# Allegro board 8880F5-0823__zarif.brd (continued)
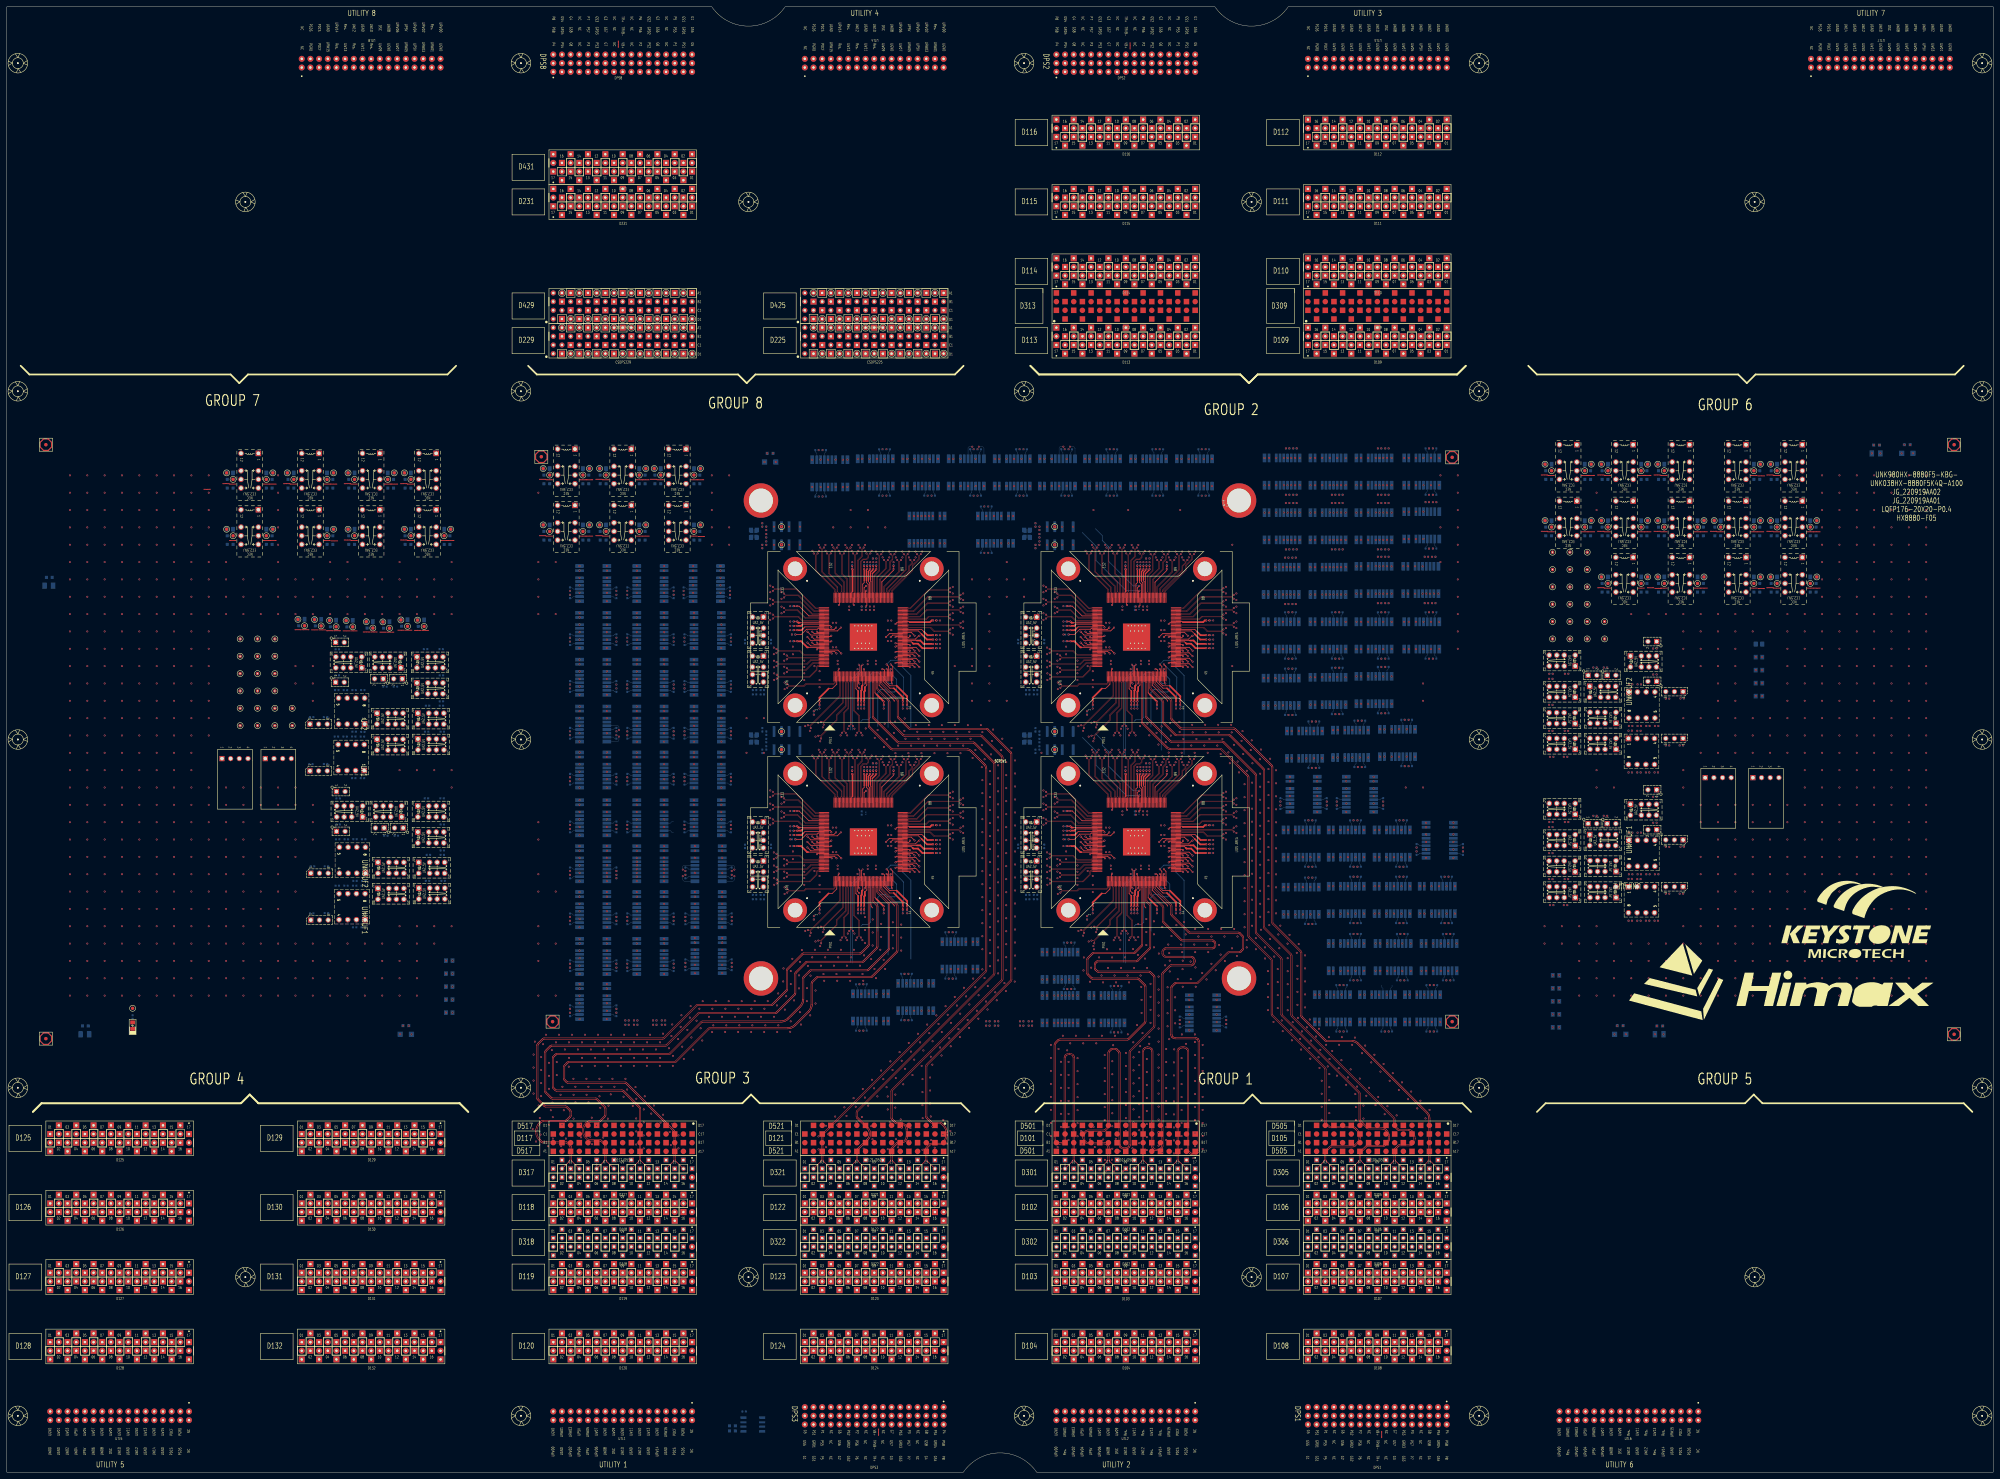
[diagram p0: board, top side]
## Routing (per net, layer and track width the routed paths; a pad name or vN(x,y) marks a point on that pad's centre or on a via; arc(x,y) is an arc through that point) (continued)
S2_PS9G_DCH035: length 5.3
  TOP w0.231: SITE2.153 315.44,245.23 v1(314.43,246.23)
S2_PS9G_DCH036: length 2.2
  TOP w0.231: SITE2.154 321.23,244.83 v1(321.43,245.03)
S2_PS9G_DCH037: length 2.2
  TOP w0.231: SITE2.155 317.43,244.43 v1(317.23,244.63)
S2_PS9G_DCH038: length 3.7
  TOP w0.231: v1(315.83,244.63) 316.43,244.03 SITE2.156
S2_PS9G_DCH039: length 5.3
  TOP w0.231: SITE2.157 315.44,243.63 v1(314.43,244.63)
S2_PS9G_DCH040: length 2.2
  TOP w0.231: v1(321.43,243.43) 321.23,243.23 SITE2.158
S2_RLY_001:
  vias: v1(410.52,289.12) v1(410.52,273.37)
S2_RLY_003:
  vias: v1(369.63,273.11) v1(396.55,241.11)
S2_RLY_005:
  vias: v1(396.55,273.11) v1(396.55,257.37)
S2_RLY_007:
  vias: v1(383.09,273.11)
S2_RLY_008:
  vias: v1(383.09,289.12) v1(410.27,257.37)
S2_RLY_016:
  vias: v1(369.38,257.11) v1(369.63,289.12)
S2_RLY_018:
  vias: v1(312.25,276.97)
S2_RLY_021:
  vias: v1(369.38,241.11) v1(396.55,289.12)
S2_RLY_022:
  vias: v1(369.38,224.6) v1(383.09,241.11)
S2_RLY_023:
  vias: v1(383.09,224.85)
S2_RLY_025:
  vias: v1(376.23,209.11) v1(396.55,225.11)
S2_RLY_026:
  vias: v1(389.7,209.36)
S2_RLY_030:
  vias: v1(410.52,241.11)
S2_RLY_043:
  vias: v1(383.09,257.11)
S2_SCAN_DCH008: length 2.2
  TOP w0.231: v1(340.23,237.03) 340.43,237.23 SITE2.48
S2_SCAN_DCH012: length 2.2
  TOP w0.231: v1(340.23,238.63) 340.43,238.83 SITE2.52
S2_SCAN_DCH013: length 2.2
  TOP w0.231: v1(344.43,239.03) 344.23,239.23 SITE2.53
S2_SCAN_DCH016: length 2.2
  TOP w0.231: v1(340.23,240.23) 340.43,240.43 SITE2.56
S2_SCAN_DCH017: length 2.2
  TOP w0.231: SITE2.57 344.23,240.83 v1(344.43,240.63)
S2_SCAN_DCH018: length 3.7
  TOP w0.231: v1(345.83,240.63) 345.23,241.23 SITE2.58
S2_SCAN_DCH019: length 5.3
  TOP w0.231: SITE2.59 346.22,241.63 v1(347.22,240.63)
S2_SCAN_DCH020: length 2.2
  TOP w0.231: SITE2.60 340.43,242.03 v1(340.23,241.83)
S2_SCAN_DCH021: length 2.2
  TOP w0.231: SITE2.61 344.23,242.43 v1(344.43,242.23)
S2_SCAN_DCH024: length 2.2
  TOP w0.231: v1(340.23,244.63) 340.43,244.83 SITE2.67
S2_SCAN_DCH025: length 3.7
  TOP w0.231: v1(338.83,244.63) 339.43,245.23 SITE2.68
S2_SCAN_DCH026: length 5.3
  TOP w0.231: SITE2.69 338.44,245.63 v1(337.44,244.63)
S2_SCAN_DCH031: length 3.7
  TOP w0.231: SITE2.149 322.23,246.83 v1(322.83,247.43)
S2_SCAN_DCH032: length 5.3
  TOP w0.231: v1(324.22,247.43) 323.22,246.43 SITE2.150
S2_SCAN_DCH033: length 2.2
  TOP w0.231: v1(317.23,246.23) 317.43,246.03 SITE2.151
S2_SCAN_DCH034: length 3.7
  TOP w0.231: SITE2.152 316.43,245.63 v1(315.83,246.23)
S2_SPI_1_CSN:
  vias: v1(474.99,230.78)
S2_SPI_1_SCK:
  vias: v1(480.07,218.59)
S2_SPI_1_SDI:
  vias: v1(456.19,217.17)
S2_SPI_1_SDO:
  vias: v1(455.94,209.55)
S2_SPI_2_CSN:
  vias: v1(475.87,217.23)
S2_SPI_2_SCK:
  vias: v1(479.97,204.98)
S2_SPI_2_SDI:
  vias: v1(451.62,217.17)
S2_SPI_2_SDO:
  vias: v1(451.87,209.55)
S2_SPI_11_SDI:
  vias: v1(457.19,217.17) v1(477.53,230.78)
S2_SPI_11_SDO:
  vias: v1(456.94,209.55) v1(482.61,218.59)
S2_SPI_22_SDI:
  vias: v1(452.62,217.17) v1(477.43,217.17)
S2_SPI_22_SDO:
  vias: v1(452.87,209.55) v1(482.51,204.98)
S2_SPI_CSN: length 25.9
  TOP w0.231: v1(339.23,231.03) 339.03,231.23 SITE2.43
  BOTTOM w0.231: v1(339.23,231.03) 338.4,231.03 335.17,234.25 333.57,234.25 332.91,233.59 332.91,221.11 332.25,220.44 330.61,220.44 330.11,219.95
S2_SPI_SCK: length 25.3
  TOP w0.231: v1(338.83,235.23) 338.63,235.03 SITE2.42
  BOTTOM w0.231: 335.03,218.48 335.03,228.39 335.92,229.27 337.17,229.27 337.9,228.54 339.96,228.54 340.53,229.11 340.53,232.28 338.83,233.98 v1(338.83,235.23)
S2_SPI_SDI: length 34.1
  TOP w0.231: SITE2.44 339.43,236.03 v1(338.83,236.63)
  BOTTOM w0.231: 338.07,211.53 338.07,226.28 338.85,227.06 342.04,227.06 342.6,227.63 342.6,232.86 v1(338.83,236.63)
S2_SPI_SDO: length 37
  TOP w0.231: SITE2.41 338.23,236.03 v1(337.63,236.63)
  BOTTOM w0.231: 344.72,210.32 344.72,233.4 342.29,235.83 342.29,237.04 341.5,237.83 338.83,237.83 v1(337.63,236.63)
S2_XTAL_IN: length 28.3
  TOP w0.231: SITE2.109 331.43,258.03 v1(331.63,258.23)
  BOTTOM w0.231: 314.98,275.24 318.94,271.27 318.94,267.1 327.82,258.23 v1(331.63,258.23)
  vias: v1(306.85,271.67)
S2_XTAL_OUT: length 26.8
  TOP w0.231: SITE2.110 331.03,259.03 v1(331.63,259.63)
  BOTTOM w0.231: v1(331.63,259.63) 329.83,259.63 322.59,266.87 322.59,271.15 320.8,272.93 320.8,274.36 318.8,276.35
  vias: v1(306.85,276.97)
S3_1TX_100DCH001+: length 146.6
  L30_SIGNAL w0.071: v1(276.97,144.59) 276.5,144.12 276.5,140.56 273.33,137.39 268.79,137.39 266.84,135.43 266.84,131.56 263.39,128.1 197.68,128.1 195.89,129.89 195.89,136.8 188.37,144.32 188.37,176.38 188.09,176.66 v1(184.47,176.66)
S3_1TX_100DCH001-: length 146
  L30_SIGNAL w0.071: v1(275.82,144.59) 276.3,144.12 276.3,140.64 273.24,137.58 268.71,137.58 266.64,135.52 266.64,131.64 263.31,128.3 197.76,128.3 196.09,129.97 196.09,136.88 188.57,144.41 188.57,176.38 188.84,176.66 v1(192.47,176.66)
S3_1TX_100DCH002+: length 49.3
  TOP w0.086: SITE3.75 263.98,188.03 264.06,188.11 278.84,188.11 v1(279.29,187.66)
  L30_SIGNAL w0.071: v1(276.97,158.18) 276.51,158.64 276.51,170.64 277.84,171.96 277.84,187.75 278.21,188.13 278.82,188.13 v1(279.29,187.66)
S3_1TX_100DCH002-: length 49.6
  TOP w0.086: SITE3.76 263.98,188.43 264.06,188.35 278.84,188.35 v1(279.29,188.8)
  L30_SIGNAL w0.071: v1(279.29,188.8) 278.82,188.33 278.13,188.33 277.64,187.83 277.64,172.05 276.31,170.72 276.31,158.66 v1(275.82,158.18)
S3_1TX_100DCH003+: length 93.5
  TOP w0.086: SITE3.79 263.98,189.63 264.06,189.71 269.2,189.71 270.02,190.53 275.8,190.53 v1(276.24,190.09)
  L30_SIGNAL w0.071: v1(250.81,129.35) 250.33,129.82 250.33,130.94 253.43,134.03 253.43,140.18 258.74,145.49 258.74,164.96 263.84,170.06 263.84,189.54 264.86,190.56 275.77,190.56 v1(276.24,190.09)
S3_1TX_100DCH003-: length 93.8
  TOP w0.086: SITE3.80 263.98,190.03 264.06,189.95 269.1,189.95 269.92,190.77 275.78,190.77 v1(276.24,191.23)
  L30_SIGNAL w0.071: v1(276.24,191.23) 275.77,190.76 264.77,190.76 263.64,189.62 263.64,170.14 258.54,165.04 258.54,145.57 253.23,140.26 253.23,134.12 250.13,131.02 250.13,129.82 v1(249.66,129.35)
S3_1TX_100DCH004+: length 99.7
  TOP w0.086: v1(279.29,192.02) 278.8,192.51 269.46,192.51 267.46,190.51 264.06,190.51 263.98,190.43 SITE3.81
  L30_SIGNAL w0.071: v1(250.81,142.94) 250.33,142.46 250.33,141.49 250.71,141.11 252.76,141.11 255.37,143.72 255.37,146.79 257.5,148.93 257.5,166.01 261.97,170.48 261.97,189.55 265.26,192.84 277.24,192.84 279.47,190.61 280.88,190.61 281.3,191.03 281.3,191.99 280.8,192.49 279.76,192.49 v1(279.29,192.02)
S3_1TX_100DCH004-: length 100.6
  TOP w0.086: v1(279.29,193.16) 278.88,192.75 269.36,192.75 267.37,190.75 264.06,190.75 263.98,190.83 SITE3.82
  L30_SIGNAL w0.071: v1(249.66,142.94) 250.13,142.47 250.13,141.41 250.63,140.91 252.84,140.91 255.56,143.63 255.56,146.71 257.7,148.85 257.7,165.93 262.17,170.39 262.17,189.47 265.34,192.64 277.15,192.64 279.39,190.41 280.96,190.41 281.5,190.95 281.5,192.08 280.89,192.69 279.76,192.69 v1(279.29,193.16)
S3_1TX_100DCH005+: length 105.6
  TOP w0.086: v1(276.24,193.95) 275.8,194.39 269.61,194.39 266.53,191.31 264.06,191.31 263.98,191.23 SITE3.83
  L30_SIGNAL w0.071: v1(264.01,132.4) 263.54,131.93 263.54,130.64 262.93,130.04 260.69,130.04 259.65,131.08 259.65,147.8 268.76,156.91 278.41,156.91 282.25,160.74 282.25,192.85 280.68,194.42 276.72,194.42 v1(276.24,193.95)
S3_1TX_100DCH005-: length 105.3
  TOP w0.086: SITE3.84 263.98,191.63 264.06,191.55 266.43,191.55 269.51,194.63 275.78,194.63 v1(276.24,195.09)
  L30_SIGNAL w0.071: v1(276.24,195.09) 276.72,194.62 280.76,194.62 282.44,192.94 282.44,160.66 278.5,156.71 268.84,156.71 259.84,147.71 259.84,131.16 260.77,130.23 262.85,130.23 263.34,130.73 263.34,131.93 v1(262.87,132.4)
S3_1TX_100DCH006+: length 86.9
  TOP w0.086: v1(279.29,195.88) 278.81,196.36 269.82,196.36 265.58,192.11 264.06,192.11 263.98,192.03 SITE3.85
  L30_SIGNAL w0.071: v1(279.29,195.88) 279.76,196.35 281.29,196.35 283.34,194.3 283.34,159.09 268.45,144.19 264.03,144.19 263.55,144.67 263.55,145.53 v1(264.01,145.99)
S3_1TX_100DCH006-: length 87.9
  TOP w0.086: SITE3.86 263.98,192.43 264.06,192.35 265.48,192.35 269.73,196.6 278.87,196.6 v1(279.29,197.02)
  L30_SIGNAL w0.071: v1(262.87,145.99) 263.36,145.5 263.36,144.59 263.95,144 268.54,144 283.54,159 283.54,194.38 281.38,196.55 279.76,196.55 v1(279.29,197.02)
S3_1TX_100DCH007+: length 131.5
  TOP w0.086: SITE3.87 263.98,192.83 264.06,192.91 264.57,192.91 269.88,198.23 275.83,198.23 v1(276.24,197.81)
  L30_SIGNAL w0.071: v1(276.24,197.81) 275.77,198.28 250.6,198.28 243.03,190.71 227.67,190.71 225.81,188.86 214.32,188.86 210.54,185.08 178.97,185.08 176.57,182.68 176.57,176.12 177.04,175.66 178.02,175.66 v1(178.5,176.13)
S3_1TX_100DCH007-: length 132.2
  TOP w0.086: v1(276.24,198.95) 275.76,198.47 269.78,198.47 264.47,193.15 264.06,193.15 263.98,193.23 SITE3.88
  L30_SIGNAL w0.071: v1(276.24,198.95) 275.77,198.48 250.52,198.48 242.95,190.91 227.59,190.91 225.73,189.06 214.24,189.06 210.46,185.28 178.89,185.28 176.37,182.76 176.37,176.04 176.95,175.46 178.03,175.46 v1(178.5,174.99)
S3_2AUX+:
  vias: v1(192.78,132.33) v1(192.78,131.06)
S3_2AUX-:
  vias: v1(189.24,131.06) v1(190.24,132.33)
S3_2TX_100DCH001+: length 238.3
  TOP w0.086: SITE3.89 259.43,197.78 259.35,197.86 259.35,198.16 265.32,204.13 265.32,205.52 267.21,207.41 267.21,208.5 v1(267.64,208.93)
  L32_SIGNAL w0.071: v1(267.64,208.93) 267.17,208.46 267.17,207.59 261.46,201.88 261.46,166.55 258.62,163.71 258.62,142.82 251.83,136.03 230.59,136.03 228.76,134.2 209.84,134.2 204.93,139.12 177.78,139.12 176.55,140.35 159.38,140.35 153.4,146.33 153.4,170.72 158.34,175.66 164.84,175.66 164.91,175.73 v1(164.91,176.13)
S3_2TX_100DCH001-: length 237.3
  TOP w0.086: v1(266.5,208.93) 266.97,208.46 266.97,207.51 265.08,205.62 265.08,204.23 259.11,198.26 259.11,197.86 259.03,197.78 SITE3.90
  L32_SIGNAL w0.071: v1(266.5,208.93) 266.97,208.46 266.97,207.67 261.26,201.96 261.26,166.64 258.42,163.79 258.42,142.9 251.75,136.23 230.5,136.23 228.68,134.4 209.92,134.4 205.01,139.32 177.87,139.32 176.64,140.55 159.47,140.55 153.6,146.41 153.6,170.64 158.42,175.46 164.84,175.46 164.91,175.39 v1(164.91,174.99)
S3_2TX_100DCH002+: length 102.5
  TOP w0.086: SITE3.91 258.63,197.78 258.55,197.86 258.55,198.23 264.35,204.04 264.35,205.37 265.28,206.31 265.28,206.78 v1(265.72,207.21)
  L32_SIGNAL w0.071: v1(265.72,207.21) 265.24,207.69 265.24,211.41 265.89,212.05 265.89,215.81 260.44,221.25 233.94,221.25 231.09,218.41 221.57,218.41 217.87,222.12 199.94,222.12 196.87,219.04 196.87,216.83 196.59,216.55 195.73,216.55 v1(195.26,217.02)
S3_2TX_100DCH002-: length 102.2
  TOP w0.086: SITE3.92 258.23,197.78 258.31,197.86 258.31,198.33 264.11,204.13 264.11,205.47 265.04,206.4 265.04,206.74 v1(264.57,207.21)
  L32_SIGNAL w0.071: v1(195.26,215.88) 195.73,216.35 196.67,216.35 197.07,216.75 197.07,218.96 200.02,221.92 217.78,221.92 221.49,218.21 231.17,218.21 234.02,221.06 260.36,221.06 265.69,215.73 265.69,212.14 265.04,211.49 265.04,207.69 v1(264.57,207.21)
S3_2TX_100DCH003+: length 112.3
  TOP w0.086: SITE3.93 257.83,197.78 257.75,197.86 257.75,198.68 263.34,204.27 263.34,208.49 v1(263.79,208.93)
  L32_SIGNAL w0.071: v1(263.79,208.93) 263.31,209.4 263.31,213.14 260.75,215.71 260.75,217.22 257.42,220.55 234.34,220.55 230.43,216.64 221.51,216.64 218.31,219.84 199.35,219.84 197.58,218.06 197.58,216.06 196.49,214.97 184.93,214.97 183.36,216.55 182.15,216.55 v1(181.67,217.02)
S3_2TX_100DCH003-: length 112
  TOP w0.086: v1(262.64,208.93) 263.1,208.47 263.1,204.37 257.51,198.78 257.51,197.86 257.43,197.78 SITE3.94
  L32_SIGNAL w0.071: v1(181.67,215.88) 182.15,216.35 183.27,216.35 184.85,214.77 196.57,214.77 197.77,215.98 197.77,217.98 199.43,219.64 218.23,219.64 221.42,216.44 230.51,216.44 234.42,220.36 257.33,220.36 260.55,217.14 260.55,215.63 263.12,213.06 263.12,209.4 v1(262.64,208.93)
S3_2TX_100DCH004+: length 73.1
  TOP w0.086: v1(261.86,207.21) 261.41,206.77 261.41,203.74 256.95,199.28 256.95,197.86 257.03,197.78 SITE3.95
  L32_SIGNAL w0.071: v1(261.86,207.21) 261.38,207.69 261.38,211.17 258.84,213.71 258.84,214.86 254.14,219.57 241.81,219.57 238.79,216.55 232.02,216.55 230.96,215.5 220.48,215.5 219.43,216.55 212.5,216.55 v1(212.03,217.02)
S3_2TX_100DCH004-: length 72.8
  TOP w0.086: v1(260.71,207.21) 261.17,206.75 261.17,203.84 256.71,199.38 256.71,197.86 256.63,197.78 SITE3.96
  L32_SIGNAL w0.071: v1(260.71,207.21) 261.19,207.69 261.19,211.08 258.64,213.63 258.64,214.78 254.05,219.37 241.9,219.37 238.88,216.35 232.1,216.35 231.04,215.3 220.4,215.3 219.35,216.35 212.5,216.35 v1(212.03,215.88)
S3_2TX_100DCH005+: length 83
  TOP w0.086: SITE3.98 255.83,197.78 255.75,197.86 255.75,201.48 258.7,204.43 258.7,206.53 259.46,207.3 259.46,208.47 v1(259.93,208.93)
  L32_SIGNAL w0.071: v1(198.44,217.02) 198.91,216.55 199.83,216.55 203.46,212.92 209.57,212.92 210.21,213.56 238.43,213.56 239.71,214.83 251.01,214.83 252.06,215.88 254.93,215.88 259.45,211.36 259.45,209.4 v1(259.93,208.93)
S3_2TX_100DCH005-: length 82.7
  TOP w0.086: SITE3.99 255.43,197.78 255.51,197.86 255.51,201.58 258.46,204.53 258.46,206.63 259.23,207.4 259.23,208.49 v1(258.78,208.93)
  L32_SIGNAL w0.071: v1(198.44,215.88) 198.91,216.35 199.74,216.35 203.38,212.72 209.65,212.72 210.29,213.36 238.51,213.36 239.79,214.63 251.09,214.63 252.15,215.68 254.85,215.68 259.26,211.28 259.26,209.4 v1(258.78,208.93)
S3_2TX_100DCH006+: length 266
  TOP w0.086: SITE3.100 255.03,197.78 254.95,197.86 254.95,202.07 257.55,204.67 257.55,206.76 v1(258,207.21)
  L32_SIGNAL w0.071: v1(258,207.21) 257.53,206.74 257.53,199.63 246.05,188.16 246.05,163.05 239.55,156.54 236.39,156.54 235.09,155.24 223.55,155.24 222.99,155.81 217.95,155.81 204.38,142.23 162.92,142.23 157.35,147.81 157.35,164.69 166.02,173.36 166.02,180.4 157.98,188.44 157.98,203.53 162.97,208.52 188.15,208.52 193.58,203.09 194.79,203.09 v1(195.26,203.56)
S3_2TX_100DCH006-: length 265.1
  TOP w0.086: v1(256.85,207.21) 257.31,206.76 257.31,204.77 254.71,202.17 254.71,197.86 254.63,197.78 SITE3.101
  L32_SIGNAL w0.071: v1(195.26,202.42) 194.79,202.89 193.5,202.89 188.07,208.32 163.06,208.32 158.18,203.44 158.18,188.52 166.22,180.48 166.22,173.28 157.54,164.61 157.54,147.89 163,142.43 204.3,142.43 217.87,156 223.07,156 223.63,155.44 235.01,155.44 236.31,156.74 239.47,156.74 245.86,163.13 245.86,188.24 257.33,199.71 257.33,206.74 v1(256.85,207.21)
S3_2TX_100DCH007+: length 252.1
  TOP w0.086: SITE3.102 254.23,197.78 254.15,197.86 254.15,202.58 255.64,204.07 255.64,208.51 v1(256.07,208.93)
  L32_SIGNAL w0.071: v1(256.07,208.93) 255.6,208.46 255.6,200.72 246.96,192.08 240.92,192.08 239.07,190.23 239.07,162.73 235.79,159.46 219.71,159.46 209.77,149.52 203.77,149.52 198.32,144.08 164.77,144.08 159.73,149.11 159.73,165.71 165.61,171.58 168.42,171.58 170.41,173.57 170.41,182.4 167.01,185.79 162.87,185.79 159.1,189.56 159.1,203 162.45,206.34 176.92,206.34 180.18,203.09 181.2,203.09 v1(181.67,203.56)
S3_2TX_100DCH007-: length 251.2
  TOP w0.086: SITE3.103 253.83,197.78 253.91,197.86 253.91,202.68 255.4,204.17 255.4,208.46 v1(254.93,208.93)
  L32_SIGNAL w0.071: v1(181.67,202.42) 181.2,202.89 180.09,202.89 176.84,206.15 162.53,206.15 159.3,202.92 159.3,189.64 162.95,185.99 167.09,185.99 170.61,182.48 170.61,173.49 168.5,171.38 165.69,171.38 159.93,165.62 159.93,149.19 164.85,144.27 198.24,144.27 203.68,149.72 209.69,149.72 219.63,159.65 235.71,159.65 238.87,162.82 238.87,190.31 240.84,192.28 246.88,192.28 255.4,200.8 255.4,208.46 v1(254.93,208.93)
S3_3TX_100DCH002+: length 104.6
  TOP w0.086: v1(250.93,210.87) 250.46,210.4 250.46,208.18 249.35,207.06 249.35,197.86 249.43,197.78 SITE3.114
  L30_SIGNAL w0.071: v1(181.67,189.59) 181.21,189.12 180.25,189.12 179.95,189.42 179.95,191.16 181.11,192.32 224.29,192.32 226.05,194.08 227.84,194.08 229.18,192.74 241.58,192.74 250.46,201.62 250.46,210.4 v1(250.93,210.87)
S3_3TX_100DCH002-: length 104.9
  TOP w0.086: v1(249.79,210.87) 250.22,210.43 250.22,208.28 249.11,207.16 249.11,197.86 249.03,197.78 SITE3.115
  L30_SIGNAL w0.071: v1(181.67,188.45) 181.2,188.93 180.16,188.93 179.75,189.34 179.75,191.24 181.02,192.51 224.21,192.51 225.97,194.27 227.92,194.27 229.26,192.94 241.5,192.94 250.26,201.7 250.26,210.4 v1(249.79,210.87)
S3_3TX_100DCH003+: length 103.5
  TOP w0.086: v1(248.93,209.15) 248.55,208.77 248.55,197.86 248.63,197.78 SITE3.116
  L30_SIGNAL w0.071: v1(178.5,203.56) 178.02,203.09 176.76,203.09 176.32,202.66 176.32,199.55 177.12,198.76 209.42,198.76 211.4,196.78 224.13,196.78 226.06,194.86 241.68,194.86 248.46,201.64 248.46,208.68 v1(248.93,209.15)
S3_3TX_100DCH003-: length 102.5
  TOP w0.086: SITE3.117 248.23,197.78 248.31,197.86 248.31,208.63 v1(247.79,209.15)
  L30_SIGNAL w0.071: v1(178.5,202.42) 178.03,202.89 176.84,202.89 176.52,202.57 176.52,199.64 177.2,198.96 209.51,198.96 211.48,196.98 224.21,196.98 226.14,195.06 241.6,195.06 248.26,201.72 248.26,208.68 v1(247.79,209.15)
S3_3TX_100DCH004+: length 105.8
  TOP w0.086: SITE3.120 247.03,197.78 246.95,197.86 246.95,202.28 246.61,202.62 246.61,210.41 v1(247.07,210.87)
  L30_SIGNAL w0.071: v1(247.07,210.87) 246.6,211.34 246.6,211.94 241.91,216.63 217.62,216.63 211.32,210.32 173.91,210.32 166.68,203.09 165.38,203.09 v1(164.91,203.56)
S3_3TX_100DCH004-: length 105.5
  TOP w0.086: SITE3.121 246.63,197.78 246.71,197.86 246.71,202.19 246.38,202.52 246.38,210.42 v1(245.93,210.87)
  L30_SIGNAL w0.071: v1(164.91,202.42) 165.38,202.89 166.76,202.89 174,210.12 211.4,210.12 217.71,216.43 241.83,216.43 246.4,211.86 246.4,211.34 v1(245.93,210.87)
S3_3TX_100DCH005+: length 63.1
  TOP w0.086: SITE3.122 246.23,197.78 246.15,197.86 246.15,201.71 244.69,203.17 244.69,208.7 v1(245.14,209.15)
  L30_SIGNAL w0.071: v1(245.14,209.15) 244.67,208.68 244.67,202.26 240,197.59 228.42,197.59 221.33,204.68 210.89,204.68 210.24,204.03 210.24,203.55 210.7,203.09 211.55,203.09 v1(212.03,203.56)
S3_3TX_100DCH005-: length 63.5
  TOP w0.086: v1(244,209.15) 244.46,208.69 244.46,203.07 245.91,201.61 245.91,197.86 245.83,197.78 SITE3.123
  L30_SIGNAL w0.071: v1(244,209.15) 244.47,208.68 244.47,202.34 239.92,197.79 228.5,197.79 221.42,204.87 210.81,204.87 210.04,204.11 210.04,203.47 210.62,202.89 211.55,202.89 v1(212.03,202.42)
S3_3TX_100DCH006+: length 77.6
  TOP w0.086: SITE3.124 245.43,197.78 245.35,197.86 245.35,200.75 242.73,203.37 242.73,210.45 v1(243.16,210.88)
  L30_SIGNAL w0.071: v1(243.16,210.88) 242.69,210.41 242.69,204.57 237.41,199.29 229.02,199.29 222.35,205.96 198.06,205.96 196.45,204.35 196.45,203.46 196.83,203.08 197.96,203.08 v1(198.44,203.56)
S3_3TX_100DCH006-: length 78
  TOP w0.086: v1(242.02,210.88) 242.49,210.41 242.49,203.28 245.11,200.65 245.11,197.86 245.03,197.78 SITE3.125
  L30_SIGNAL w0.071: v1(242.02,210.88) 242.49,210.41 242.49,204.65 237.33,199.48 229.1,199.48 222.43,206.15 197.97,206.15 196.25,204.43 196.25,203.38 196.75,202.89 197.97,202.89 v1(198.44,202.42)
S3_3TX_100DCH007+: length 105.3
  TOP w0.086: SITE3.126 244.63,197.78 244.55,197.86 244.55,199.62 240.83,203.34 240.83,208.7 v1(241.28,209.15)
  L30_SIGNAL w0.071: v1(178.5,189.59) 178.03,189.12 176.82,189.12 173.58,192.36 173.58,201.89 179.87,208.19 212.1,208.19 213.75,209.83 232.99,209.83 236.51,206.3 239.96,206.3 240.81,207.15 240.81,208.68 v1(241.28,209.15)
S3_3TX_100DCH007-: length 105.6
  TOP w0.086: v1(240.14,209.15) 240.59,208.7 240.59,203.24 244.31,199.52 244.31,197.86 244.23,197.78 SITE3.127
  L30_SIGNAL w0.071: v1(240.14,209.15) 240.61,208.68 240.61,207.23 239.88,206.5 236.6,206.5 233.07,210.03 213.66,210.03 212.02,208.38 179.79,208.38 173.38,201.98 173.38,192.28 176.74,188.92 178.02,188.92 v1(178.5,188.45)
S3_4TX_100DCH001+: length 106.9
  TOP w0.086: SITE3.129 243.43,197.78 243.35,197.86 243.35,199.29 238.85,203.79 238.85,210.43 v1(239.3,210.88)
  L32_SIGNAL w0.071: v1(239.3,210.88) 238.83,211.35 238.83,212.18 238.15,212.86 225.85,212.86 214.65,201.66 171.78,201.66 169.03,198.91 169.03,191.45 166.7,189.12 165.38,189.12 v1(164.91,189.59)
S3_4TX_100DCH001-: length 106.6
  TOP w0.086: v1(238.16,210.88) 238.61,210.43 238.61,203.69 243.11,199.19 243.11,197.86 243.03,197.78 SITE3.130
  L32_SIGNAL w0.071: v1(238.16,210.88) 238.63,211.35 238.63,212.1 238.07,212.66 225.93,212.66 214.73,201.46 171.86,201.46 169.23,198.83 169.23,191.37 166.78,188.92 165.38,188.92 v1(164.91,188.45)
S3_4TX_100DCH002+: length 59.7
  TOP w0.086: v1(237.43,209.15) 236.97,208.69 236.97,204.24 242.55,198.66 242.55,197.86 242.63,197.78 SITE3.131
  L32_SIGNAL w0.071: v1(237.43,209.15) 236.95,208.68 236.95,199.99 235.95,198.99 226.56,198.99 224.09,196.51 214.37,196.51 210.09,192.23 210.09,190.06 211.03,189.12 211.55,189.12 v1(212.03,189.59)
S3_4TX_100DCH002-: length 60
  TOP w0.086: v1(236.28,209.15) 236.73,208.71 236.73,204.14 242.31,198.56 242.31,197.86 242.23,197.78 SITE3.132
  L32_SIGNAL w0.071: v1(212.03,188.45) 211.55,188.92 210.95,188.92 209.89,189.98 209.89,192.31 214.29,196.71 224,196.71 226.48,199.18 235.87,199.18 236.75,200.07 236.75,208.68 v1(236.28,209.15)
S3_4TX_100DCH003+: length 50.5
  TOP w0.086: v1(224.31,199.31) 224.75,198.87 231.22,198.87 236.94,193.15 237.6,193.15 237.68,193.23 SITE3.133
  L32_SIGNAL w0.071: v1(224.31,199.31) 223.83,198.84 205.48,198.84 202.81,196.17 202.81,191.64 200.29,189.12 198.91,189.12 v1(198.44,189.59)
S3_4TX_100DCH003-: length 50.6
  TOP w0.086: v1(224.31,198.17) 224.77,198.63 231.12,198.63 236.84,192.91 237.6,192.91 237.68,192.83 SITE3.134
  L32_SIGNAL w0.071: v1(198.44,188.45) 198.91,188.92 200.38,188.92 203.01,191.55 203.01,196.08 205.56,198.64 223.83,198.64 v1(224.31,198.17)
S3_4TX_100DCH004+: length 91.4
  TOP w0.086: v1(227.6,197.38) 228.04,196.95 231.86,196.95 236.46,192.35 237.6,192.35 237.68,192.43 SITE3.135
  L32_SIGNAL w0.071: v1(227.6,197.38) 227.13,196.91 226.48,196.91 225.28,195.71 225.28,185.17 223.22,183.12 223.22,170.34 218.38,165.49 183.28,165.49 179.98,162.2 178.97,162.2 v1(178.5,162.67)
S3_4TX_100DCH004-: length 91.4
  TOP w0.086: v1(227.6,196.24) 228.07,196.71 231.76,196.71 236.36,192.11 237.6,192.11 237.68,192.03 SITE3.136
  L32_SIGNAL w0.071: v1(227.6,196.24) 227.13,196.71 226.56,196.71 225.48,195.63 225.48,185.09 223.42,183.04 223.42,170.26 218.46,165.3 183.36,165.3 180.06,162 178.97,162 v1(178.5,161.52)
S3_4TX_100DCH005+: length 100.1
  TOP w0.086: v1(224.31,195.45) 224.75,195.01 232.43,195.01 235.88,191.55 237.6,191.55 237.68,191.63 SITE3.137
  L32_SIGNAL w0.071: v1(224.31,195.45) 223.83,194.98 221.05,194.98 216.38,190.31 216.38,176.23 211.81,171.66 173.15,171.66 171.92,170.43 171.92,167.34 166.77,162.2 165.38,162.2 v1(164.91,162.67)
S3_4TX_100DCH005-: length 100.1
  TOP w0.086: SITE3.138 237.68,191.23 237.6,191.31 235.78,191.31 232.33,194.77 224.76,194.77 v1(224.31,194.31)
  L32_SIGNAL w0.071: v1(224.31,194.31) 223.83,194.78 221.13,194.78 216.57,190.23 216.57,176.14 211.89,171.46 173.23,171.46 172.12,170.35 172.12,167.26 166.86,162 165.38,162 v1(164.91,161.52)
S3_4TX_100DCH006+: length 94.9
  TOP w0.086: v1(227.6,193.14) 228.04,192.7 231.52,192.7 233.88,190.35 237.6,190.35 237.68,190.43 SITE3.140
  L32_SIGNAL w0.071: v1(227.6,193.14) 227.13,192.67 226.62,192.67 226.13,192.18 226.13,168.8 211.64,154.31 197.31,154.31 192.43,149.43 183.83,149.43 183.23,150.03 181.68,150.03 180.14,148.48 178.97,148.48 v1(178.5,148.95)
S3_4TX_100DCH006-: length 94.9
  TOP w0.086: SITE3.141 237.68,190.03 237.6,190.11 233.78,190.11 231.43,192.46 228.06,192.46 v1(227.6,192)
  L32_SIGNAL w0.071: v1(227.6,192) 227.13,192.47 226.7,192.47 226.33,192.1 226.33,168.72 211.72,154.11 197.39,154.11 192.51,149.23 183.74,149.23 183.15,149.83 181.77,149.83 180.22,148.28 178.97,148.28 v1(178.5,147.81)
S3_4TX_100DCH007+: length 110.6
  TOP w0.086: SITE3.142 237.68,189.63 237.6,189.55 233.04,189.55 231.83,190.76 224.76,190.76 v1(224.31,191.21)
  L32_SIGNAL w0.071: v1(164.91,148.95) 165.38,148.48 166.77,148.48 167.53,149.25 175.28,149.25 176.77,150.74 176.77,163.62 180.67,167.51 217.11,167.51 220.2,170.6 220.2,187.7 223.24,190.74 223.83,190.74 v1(224.31,191.21)
S3_4TX_100DCH007-: length 110.6
  TOP w0.086: SITE3.143 237.68,189.23 237.6,189.31 232.94,189.31 231.73,190.52 224.76,190.52 v1(224.31,190.07)
  L32_SIGNAL w0.071: v1(164.91,147.81) 165.38,148.28 166.85,148.28 167.62,149.05 175.36,149.05 176.97,150.66 176.97,163.53 180.75,167.31 217.2,167.31 220.4,170.52 220.4,187.62 223.32,190.54 223.83,190.54 v1(224.31,190.07)
S3_AUX_100DCH002+:
  vias: v1(191.78,132.33)
S3_AUX_100DCH002-:
  vias: v1(189.24,132.33)
S3_AUXCH+: length 32.3
  TOP w0.203: v2(250.6,176.57) 250.23,176.2 SITE3.21
  BOTTOM w0.203: v2(250.6,176.57) 250.3,176.28 250.3,174.52 247.57,171.79 247.57,149.14
S3_AUXCH-: length 32.1
  TOP w0.203: v2(249.46,176.57) 249.83,176.2 SITE3.20
  BOTTOM w0.203: 247.03,149.37 247.03,172.02 249.76,174.75 249.76,176.28 v2(249.46,176.57)
S3_AVDD11_RX: length 8.4
  TOP w0.231: 254.67,167.85 254.23,168.29 SITE3.31
  TOP w0.508: v1(256.77,165.75) 254.67,167.85
  vias: v1(256.77,163.71)
S3_AVDD11_XTAL: length 8.8
  TOP w0.231: 252.87,201.45 252.87,201.11 253.03,200.95 SITE3.105
  TOP w0.381: v1(253.72,204.54) 253.72,204.45 252.87,203.59 252.87,201.45
  vias: v1(253.72,206.58)
